# Altium PCB Main_V1_Pcb.PcbDoc (continued)
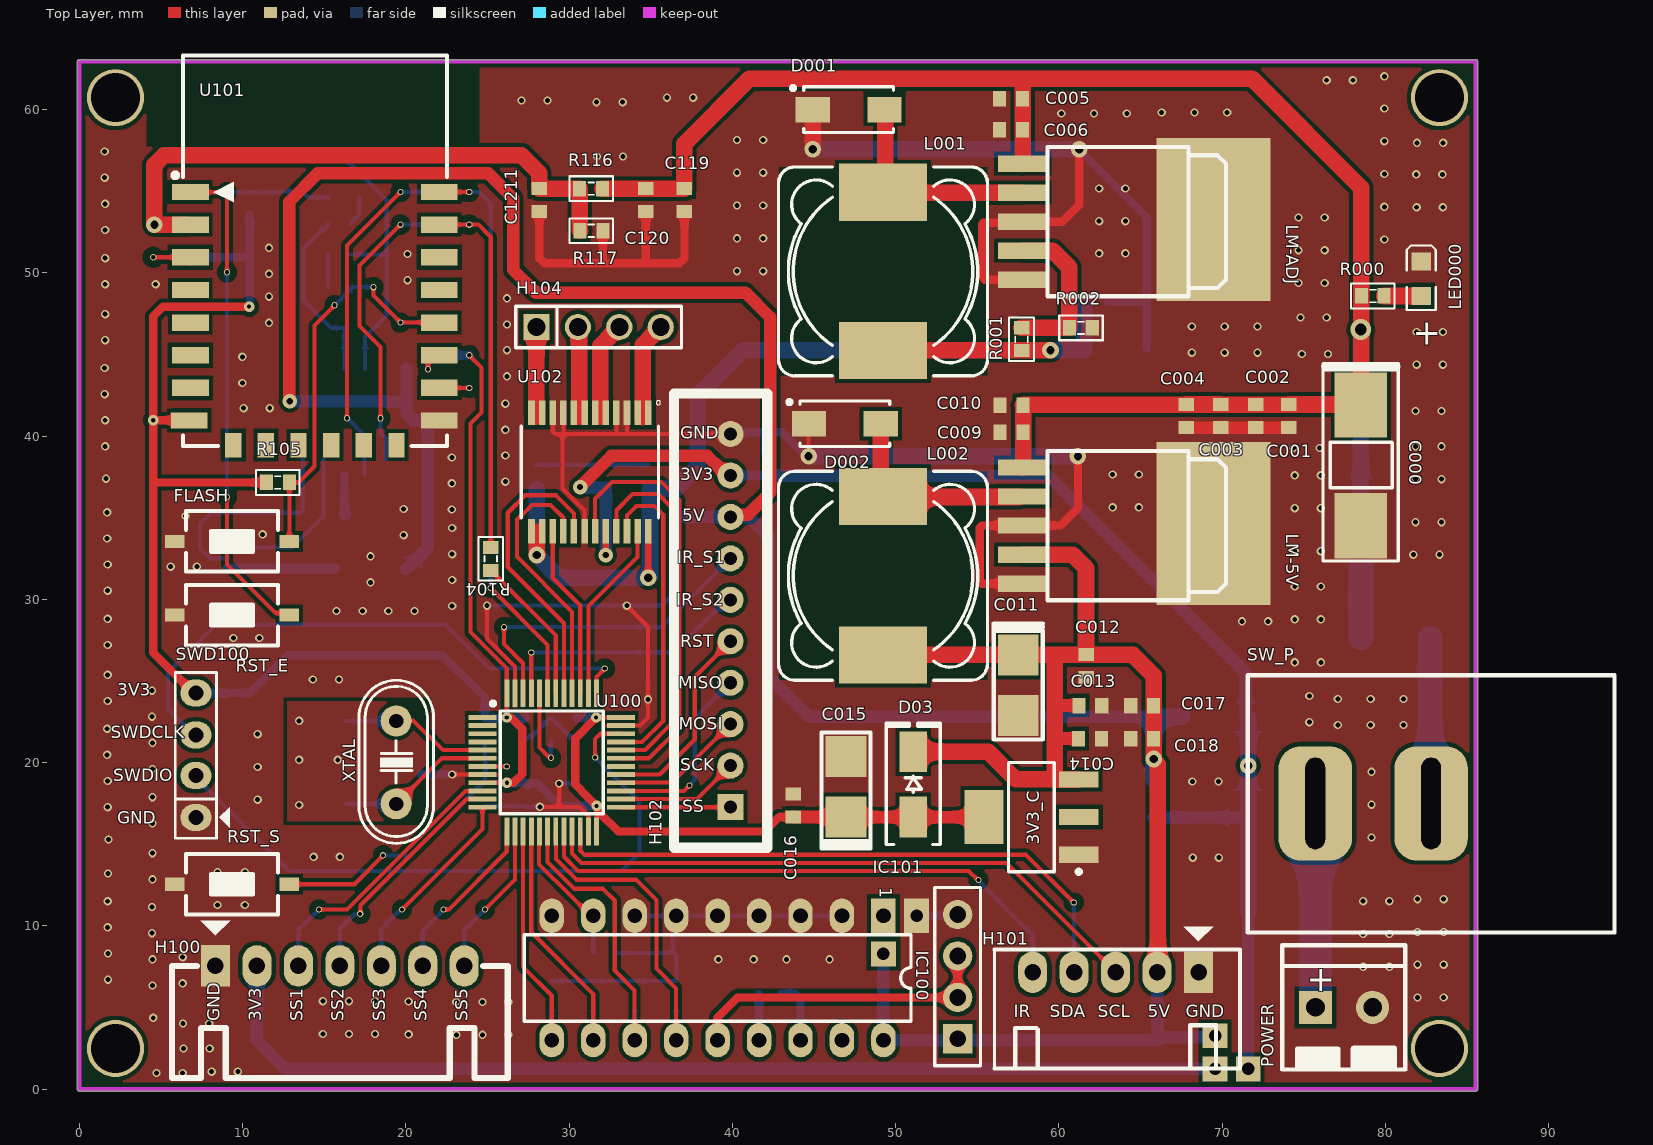
[diagram p0: Top Layer view]
## Part data (continued)
FLASH RST_E RST_S: "Switch button 2 pin"
H100: library part "Header 7P 2.54 Duc Cong", "Cắm", Chung_Loai=Cắm, Don_Vi=Con, Ma_Hang=MH004118, Ten_Linh_Kien="Header 7P XH2.54-7P Đực Cong"
H101: library part "Header 5P 2.54 Duc Cong", "Cắm", Chung_Loai=Cắm, Don_Vi=Con, Ma_Hang=MH001308, Ten_Linh_Kien="Header 5P XH2.54-5P Đực Cong"
H102: library part "Header 10P 2.54 Duc Thang", "Cắm", Chung_Loai=Cắm, Don_Vi=Con, Ma_Hang=MH001286, Ten_Linh_Kien="Header 10P XH2.54-10P Đực Thẳng"
H104: library part "Header 4P 2.54 Duc Cong", "Cắm", Chung_Loai=Cắm, Don_Vi=Con, Ma_Hang=MH001310, Ten_Linh_Kien="Header 4P XH2.54-4P Đực Cong"
IC100: "Remote Control Decoder"
IC101: Manufacturer="W¨¹rth Elektronik eiSos GmbH", partNo=613004143121, ComponentLink1 Description=Manufacturer, ComponentLink1URL=http://www.we-online.com, ComponentLink2 Description=Datasheet, ComponentLink2URL=http://katalog.we-online.de/em/datasheet/6130xx143121.pdf, Created by="Karrer Zheng", Created Date="29 March 2013", NoPins=04
LED000: "LED"
LM-5V LM-ADJ: library part "LM2576 3.3V SMD", "Dán", Chung_Loai=Dán, Don_Vi=Con, Ma_Hang=MH001260, Ten_Linh_Kien="LM2576S-3.3V BUCK 3.3V 3A TO263-5"
POWER: "Domino, 2-Pin", LatestRevisionDate=17-Jul-2002, LatestRevisionNote="Re-released for DXP Platform.", Publisher="Altium Limited"
Q100 Q101: library part "C1815 HF SMD", "NPN transistor"
R000 R001 R002 R100 R101 R103 R104 R105 R106 R107 R108 R111 R113 R114 R116 R117 R118 R1151 R1152: "Resistor"
SW_P: library part SW1_RS-471005264153-TH, "Rocker Switch SPST 16A (AC), 10A (DC) 250V Panel Mount, Snap-In", Alternate Part Number-1=NA, Case/Package=TH, Manufacturer="Würth Elektronik", Manufacturer Part Number=471005264153, Supplier Part Number-1=471005264153, Supplier-1="Würth Elektronik"
SWD100: "Header, 4-Pin, Right Angle", LatestRevisionDate=17-Jul-2002, LatestRevisionNote="Re-released for DXP Platform.", Publisher="Altium Limited"
U100: library part IC_STM32F103C8T6, "ARM® Cortex®-M3 STM32F1 Microcontroller IC 32-Bit 72MHz 64KB (64K x 8) FLASH 48-LQFP (7x7)", Alternate Part Number-1=NA, Case/Package=LQFP48, Manufacturer=STMicroelectronics, Manufacturer Part Number=STM32F103C8T6, Supplier Part Number-1=STM32F103C8T6, Supplier-1=LCSC
U101: "ESP8266 12 22 Pin", IC=ESP8266-EX, Vendor=Ai-thinker
U102: "- Motor Driver Power MOSFET Parallel 24-SSOP", Package="SSOP-24 Toshiba", Availability="In Stock", Check_prices=https://www.snapeda.com/parts/TB6612FNG,C,8,EL/Toshiba+Semiconductor+and+Storage/view-part/?ref=eda, MF=Toshiba, MP=TB6612FNG,C,8,EL, Price=None, Purchase-URL=https://pricing.snapeda.com/search/part/TB6612FNG,C,8,EL/?ref=eda, SnapEDA_Link=https://www.snapeda.com/parts/TB6612FNG,C,8,EL/Toshiba+Semiconductor+and+Storage/view-part/?ref=snap
U103: library part IC_CH340C, "USB Bridge, USB to UART USB 2.0 UART Interface", Alternate Part Number-1=NA, Case/Package=SOIC16, Manufacturer=Olimex, Supplier Part Number-1=C84681, Manufacturer Part Number=CH340C, Supplier-1=LCSC
USB100: "USB Type B", Ma_Hang=MH001020, Ten="MicroUSB MK5P SMD"
XTAL: "Crystal Oscillator", LatestRevisionDate=17-Jul-2002, LatestRevisionNote="Re-released for DXP Platform.", PackageDescription="Crystal, Thru-Hole; 2 Leads; Body 3.1 x 8.2 mm (Dia.xH)", PackageReference=R38, Published=8-Jun-2000, Publisher="Altium Limited"

## Free pads (board coordinates)
  round 3.5 hole 3: 14(2.21,2.489) 14(2.21,60.731) 15(83.312,60.731) 16(83.312,2.489)
  rect 1.524x2.1 hole 0.762: 18(51.283,10.617)
  rect 1.524x1.524 hole 0.762: 19(49.251,8.28) 20(69.567,1.236) 21(69.567,3.268) 22(71.599,1.236)

## Via types
v1: diameter 0.508, hole 0.305, Top Layer to Bottom Layer, tented both sides, 257 vias
v2: diameter 0.381, hole 0.254, Top Layer to Bottom Layer, tented both sides, 32 vias
v3: diameter 1.016, hole 0.508, Top Layer to Bottom Layer, tented both sides, 10 vias
v4: diameter 0.635, hole 0.254, Top Layer to Bottom Layer, tented both sides, 6 vias
v5: diameter 0.889, hole 0.381, Top Layer to Bottom Layer, tented both sides, 3 vias
v6: diameter 1.27, hole 0.711, Top Layer to Bottom Layer, tented both sides, 1 vias

## Nets (pads, with @x,y where several pads share a name; then routed paths per layer and width w, separated by ;. In a path a pad name is that pad's centre, name@x,y a point inside that pad or via, vN(x,y) a via of type N, cw(c..) or ccw(c..) an arc to the next point about the centre after c; other vN are vias at no path point)
3V3_C: 3V3_C.4 C015.1 C016.2 C101.2 C102.2 C103.2 C104.2 C107.2 C110.2 D03.1 R100.2 R105.2 R106.2 R107.2 R108.2 SWD100.4 U100.9 U100.24 U100.36 U100.48 U101.8 | length 146.5
  Top Layer w0.254: v2(23.876,44.952) 24.638,44.19 24.638,41.453 23.952,40.767 23.952,27.991 26.181,25.762 U100.48 v4(26.181,22.758) ; U100.9@24.912,18.765 v4(26.182,18.765) ; U100.24 31.682,15.779 v4@31.682,17.347 ; v4@31.681,22.765 U100.36
  Top Layer w0.508: 4.547,37.16 R105.2 ; U101.8 6.713,40.97 v4(4.521,40.97) ; SWD100.4 7.01,24.257 4.521,26.746 4.521,37.16 v4(4.521,40.97) ; v4(10.393,47.93) 5.131,47.93 4.521,47.32 4.521,43.111 v4(4.521,40.97) ; v4(26.181,22.758) 26.441,22.758 27.127,22.073 27.127,19.304 26.588,18.765 v4(26.182,18.765) ; v4@31.639,22.749 30.378,21.488 30.378,18.653 31.125,17.906 v4(31.684,17.348) ; v4(31.648,22.758) 31.655,22.758 31.665,22.749 v4@31.681,22.765 ; v4@31.682,17.347 v4(31.684,17.348) ; C016.2@43.75,16.662 42.85,16.662 41.965,15.777 33.01,15.777 31.861,16.926 31.861,17.136 31.684,17.314 v4(31.684,17.348)
  Top Layer w0.762: C016.2 43.75,16.662 3V3_C.4
  Bottom Layer w0.508: v4(4.521,40.97) C110.2 ; SWD100.4 10.439,24.257 12.751,26.568 22.246,26.568 24.841,23.973 R100.2 26.084,22.696 26.146,22.758 v4(26.181,22.758) ; R107.2 10.338,50.952 10.439,51.054 ; v4(10.393,47.93) 10.393,47.964 10.439,48.01 10.439,51.054 ; R108.2 10.439,51.054 ; R106.2 v2(23.876,44.952) ; v4@26.181,22.734 26.239,22.734 26.28,22.694 27.252,22.694 C104.2 ; v4(26.182,18.765) 27.299,18.765 C101.2@27.305,18.759 ; C101.2@27.451,18.588 C101.2 28.053,18.734 29.453,17.334 C102.2 30.469,17.348 v4(31.684,17.348) ; C103.2 30.469,22.733 31.369,22.733 31.37,22.734 31.624,22.734 v4(31.648,22.758)
3V3_P: 3V3_P.2 3V3_P.4 C019.1 C020.2 C112.2 C116.2 C118.2 D004.1 H100.2 H102.9 pad.20 pad.22 U102.20 | length 148.2
  Top Layer w0.381: v5(32.242,32.715) U102.20
  Top Layer w0.762: v5(30.667,36.876) 32.577,38.786 38.457,38.786 39.651,37.592 H102.9
  Bottom Layer w0.508: H102.9 C118.2@41.997,37.592
  Bottom Layer w0.762: C116.2 10.871,4.561 10.871,2.972 12.607,1.236 28.325,1.236 49.856,1.236 pad.20 ; C116.2@10.871,4.583 H100.2 ; v5(30.667,36.876) 30.691,36.852 31.97,36.852 31.996,36.825 C112.2@31.998,36.825 ; C112.2@32.148,36.829 C112.2 v5(32.242,32.715) ; C118.2@41.997,37.592 C118.2 59.349,37.578 71.45,25.476 71.45,22.904 D004.1 ; 3V3_P.2 3V3_P.4 ; pad.22 C019.1
  Bottom Layer w1.016: D004.1 71.596,19.827 71.607,19.816 v3(71.607,19.812) 3V3_P.4 C019.1@71.607,10.795
5V: 3V3_C.3 3V3_P.3 C011.1 C012.2 C013.2 C014.2 C017.2 C018.2 C111.2 C117.2 C122.2 C128.2 D03.2 D004.2 D100.2 H101.2 H102.8 IC100.18 IC101.1 L002.2 LM-5V.4 pad.19 pad.21 U103.16 | length 226.5
  Top Layer w0.762: v5(12.878,42.139) 12.854,42.163 12.854,42.253 12.852,42.254 12.852,54.356 14.605,56.109 25.03,56.109 26.568,54.57 26.568,50.19 27.965,48.793 40.792,48.793 42.316,47.269 42.316,36.551 40.96,35.194 40.02,35.194 H102.8 ; 59.738,21.488 C014.2@61.174,21.488 ; 59.84,23.495 C013.2 ; v3(65.807,20.218) 65.807,20.15 v3@66.065,19.891 ; H101.2 H101.2@66.065,7.214
  Top Layer w1.016: L002.2 L002.2@49.829,26.595 ; D03.2 55.658,20.669 57.353,18.974 59.727,18.974 59.738,18.962 59.738,21.488 59.738,23.393 ; L002.2@51.079,25.345 L002.2@49.829,26.595 ; LM-5V.4 60.833,32.741 61.658,31.915 C012.2@61.658,26.595 ; 59.741,18.962 3V3_C.3 ; 59.84,23.495 59.738,23.393 ; C012.2 C012.2@61.658,26.595 ; v3(65.807,20.218) 65.804,20.221 65.804,21.459 C018.2 C017.2 65.8,25.335 64.54,26.595 C012.2@61.658,26.595 ; H101.2@66.065,7.214 v3@66.065,19.891 ; L002.2@49.829,26.595 59.722,26.595 ; 59.722,26.595 C012.2@61.658,26.595 ; 59.722,26.595 59.738,26.579 59.738,23.393
  Bottom Layer w0.254: 66.051,2.997 66.229,3.175
  Bottom Layer w0.762: v5(12.878,42.139) 18.836,42.139 18.887,42.088 20.041,42.088 ; D100.2 21.347,33.182 C111.2 20.462,40.945 20.041,41.366 20.041,42.088 ; U103.16 20.041,42.088 ; C122.2 36.709,35.046 H102.8@39.872,35.046 ; H102.8 H102.8@39.872,35.046 ; pad.19 IC100.18 66.051,2.997 C117.2@66.051,4.17 ; 65.807,22.809 44.679,22.809 42.215,25.273 42.215,33.858 41.027,35.046 39.884,35.046 H102.8@39.872,35.046 ; C117.2@66.015,4.228 H101.2 ; C117.2@66.054,4.167 C117.2@66.073,4.148 ; 66.229,3.175 69.473,3.175 pad.21 ; D004.2@67.545,22.809 D004.2
  Bottom Layer w1.016: H102.8 39.884,35.046 H102.8@39.934,34.996 ; 3V3_P.3 v3(65.807,20.218) 65.807,22.809 D004.2@67.545,22.809
AIN1: U100.32 U102.21 | length 22.4
  Top Layer w0.254: U102.21 32.892,35.458 33.884,36.449 35.458,36.449 36.246,35.662 36.246,22.352 34.659,20.765 U100.32
AIN2: U100.33 U102.22 | length 19.4
  Top Layer w0.254: U100.33 33.174,21.26 34.468,21.26 35.763,22.555 35.763,35.179 35.23,35.712 34.112,35.712 33.547,35.147 33.547,34.174 U102.22
AO1: H104.4 U102.1 U102.2 | length 6
  Top Layer w1.016: 34.519,41.148 34.519,45.593 H104.4
AO2: H104.3 U102.5 U102.6 | length 6
  Top Layer w1.016: 31.902,41.173 31.902,45.517 H104.3
BIN1: U100.41 U102.17 | length 18.5
  Top Layer w0.254: U100.41 29.681,28.536 26.238,31.979 26.238,35.306 27.305,36.373 29.185,36.373 30.292,35.265 U102.17
BIN2: U100.40 U102.16 | length 16.4
  Top Layer w0.254: U102.16 29.642,35.001 28.854,35.789 27.711,35.789 26.797,34.874 26.797,32.614 30.181,29.23 U100.40
BO1: H104.1 U102.11 U102.12 | length 5.5
  Top Layer w1.016: 27.991,41.199 H104.1
BO2: H104.2 U102.7 U102.8 | length 5.5
  Top Layer w1.016: 30.607,41.173 H104.2@30.607,46.685
BOOT0: R101.1 U100.44 | length 5.3
  Top Layer w0.254: U100.44 28.181,20.918 28.74,20.358 28.782,20.358 28.845,20.295 v2(28.88,20.295)
  Bottom Layer w0.254: v2(28.88,20.295) R101.1
D+: U103.5 USB100.3 | length 10.1
  Bottom Layer w0.254: USB100.3 13.023,33.165 14.961,35.103 U103.5 U103.5@14.961,38.558
D-: U103.6 USB100.2 | length 13.2
  Bottom Layer w0.254: USB100.2 7.998,32.515 7.391,33.122 7.391,34.62 8.077,35.306 13.542,35.306 13.691,35.455 U103.6 U103.6@13.691,38.558
DATA: IC100.14 IC101.2 IC101.3 | length 19.1
  Top Layer w0.508: IC100.14 39.091,4.394 40.31,5.613 IC101.2 IC101.3
DTR: Q100.2 R114.1 U103.13 | length 11
  Bottom Layer w0.254: R114.1 15.226,52.909 14.953,52.636 14.878,52.636 13.741,51.5 13.741,48.311 15.423,46.629 Q100.2 16.231,46.603 U103.13
EN: R107.1 U101.3 | length 3.8
  Top Layer w0.254: v2(4.521,50.952) U101.3
  Bottom Layer w0.254: v2(4.521,50.952) R107.1
ENERGY: C121.2 C1211.2 R116.1 R117.2 U101.2 | length 37.9
  Top Layer w0.254: U101.2@6.546,52.952 6.756,53.162 6.797,53.121 U101.2
  Top Layer w1.016: U101.2@6.546,52.952 v3(4.596,52.952) 4.596,56.615 5.181,57.201 27.076,57.201 28.169,56.109 C1211.2 R116.1 30.644,52.603 R117.2
  Bottom Layer w1.016: v3(4.596,52.952) C121.2
GND: 3V3_C.1 3V3_P.1 C000.2 C001.1 C002.1 C003.1 C004.1 C005.1 C006.1 C007.2 C008.1 C009.1 C010.1 C011.2 C012.1 C013.1 C014.1 C015.2 C016.1 C017.1 C018.1 C019.2 C020.1 C100.1 C101.1 C102.1 C103.1 C104.1 C105.1 C106.1 C107.1 C108.1 C109.1 C110.1 C111.1 C112.1 C113.1 C114.1 C115.1 C116.1 C117.1 C118.1 C119.1 C120.1 C121.1 C122.1 C123.1 C124.1 C125.1 C126.1 C127.1 C128.1 C129.1 C130.1 C131.1 C132.1 C133.1 C134.1 C135.1 C136.1 C1211.1 D001.1 D002.1 FLASH.1 H100.1 H101.1 H102.10 IC100.2 IC100.3 IC100.4 IC100.5 IC100.6 IC100.7 IC100.9 IC101.4 LED000.2 LM-5V.3 LM-5V.5 LM-5V.6 LM-ADJ.3 LM-ADJ.5 LM-ADJ.6 pad.18 POWER.2 R002.2 R101.2 R111.1 R117.1 RST_E.1 RST_S.1 SWD100.1 U100.8 U100.23 U100.35 U100.47 U101.15 U102.3 U102.4 U102.9 U102.10 U102.18 U103.1 USB100.5 | length 232.2
  Top Layer w0.254: v1(22.835,19.265) U100.8 ; v1(24.968,29.616) 24.968,27.584 26.681,25.872 U100.47 ; v1(28.206,17.288) 29.388,17.288 ; U102.10 28.992,40.281 29.141,40.132 29.591,40.132 ; v1(29.388,18.72) 29.388,17.288 ; U102.9 29.642,40.183 29.591,40.132 ; U102.18 30.942,35.433 29.591,36.785 29.591,40.132 ; U100.23 31.191,15.787 31.191,16.734 30.637,17.288 29.388,17.288 ; U102.4 32.892,40.158 32.918,40.132 ; U100.35 34.33,22.265 34.823,22.758 v1(34.823,23.876) 34.823,28.321 v1(33.528,29.616) ; U102.3 33.542,40.146 33.528,40.132 ; H102.10 33.528,40.132 ; v3(44.665,38.765) 44.665,40.734 D002.1 ; 55.296,49.73 55.445,49.581 ; 55.296,52.988 55.368,53.061 ; C005.1@56.341,60.688 C005.1 ; LM-ADJ.3@57.709,53.061 LM-ADJ.3 ; H101.1@68.457,7.26 H101.1 ; 29.591,40.132 32.918,40.132 ; 32.918,40.132 33.528,40.132
  Top Layer w0.508: C1211.1 28.169,50.902 28.473,50.597 32.029,50.597 ; R117.1 32.069,50.636 32.029,50.597 ; C120.1 34.696,50.8 34.9,50.597 ; C119.1 37.059,50.894 36.761,50.597 34.9,50.597 ; 55.296,49.73 55.296,52.988 ; 55.368,53.061 LM-ADJ.3@57.709,53.061 ; 55.445,49.581 LM-ADJ.5 ; LM-5V.5 55.292,30.963 55.143,31.111 55.143,34.37 55.292,34.519 LM-5V.3 60.096,34.519 61.163,35.585 v3(61.163,38.765) ; LM-ADJ.3 60.223,53.137 61.239,54.153 v3(61.239,57.565) ; 32.029,50.597 34.9,50.597
  Top Layer w0.762: RST_S.1 RST_S.1@5.866,12.529 ; C004.1 C003.1 C002.1 C001.1 ; LM-5V.6 LM-5V.6@70.366,35.543
  Top Layer w1.016: v3(44.915,57.565) D001.1
  Bottom Layer w0.254: v1@22.821,19.279 v1(22.835,19.265) ; C100.1 C101.1 27.351,17.288 v1(28.206,17.288) ; v1(24.968,29.616) 34.828,29.616 C129.1 35.701,29.631 36.703,30.632 C122.1 ; C104.1 27.578,21.62 27.729,21.62 28.805,22.696 R101.2 28.955,22.696 30.031,21.62 30.182,21.62 C103.1 C102.1 30.44,18.72 v1(29.388,18.72) ; C113.1 C112.1 C114.1 ; C134.1 C133.1 C132.1 C131.1 36.576,8.182 36.427,8.331 36.347,8.331 ; C135.1 36.347,8.331 ; IC100.7 IC100.6 ; v1(34.823,23.876) 34.823,25.367 C130.1 ; H102.10 H102.10@39.98,40.234 ; 42.012,40.138 41.916,40.234 42.012,40.234 ; v3@44.547,38.765 v3(44.665,38.765) ; IC100.2 IC100.3 IC100.4 IC100.5 IC100.6 ; IC101.4@53.721,10.617 IC101.4 ; v3@61.239,57.937 v3@61.288,57.986 ; C008.1 C008.1@62.981,48.209 ; 36.347,8.331 36.347,10.414 IC100.6
  Bottom Layer w0.508: 20.904,19.279 v1@22.821,19.279 ; H102.10@39.98,40.234 41.916,40.234 ; C118.1 42.012,40.138 ; 42.012,40.234 43.078,40.234 v3@44.547,38.765 ; pad.18 IC101.4@53.721,10.617 ; v3(61.239,57.565) 65.38,53.425 65.38,48.209 ; C008.1@62.981,48.209 65.38,48.209 ; C007.2@65.38,45.369 65.38,48.209
  Bottom Layer w1.016: v3(44.665,38.765) v3(61.163,38.765) ; v3(44.915,57.565) v3(61.239,57.565)
  other v1: 4.724,0.991 6.325,0.991 8.103,1.067 9.703,1.067 6.375,2.489 7.976,2.489 23.089,3.325 24.689,3.325 26.289,3.325 20.168,3.353 14.91,3.376 16.51,3.376 18.11,3.376 6.35,4.013 7.95,4.013 4.521,4.369 23.089,5.334 24.689,5.334 26.289,5.334 20.168,5.362 14.91,5.385 16.51,5.385 18.11,5.385 81.966,5.608 83.566,5.608 4.47,6.35 6.325,6.477 1.753,6.706 78.638,7.491 80.239,7.491 81.966,7.618 83.566,7.618 4.47,7.95 39.136,7.95 41.3,7.95 43.309,7.95 45.944,7.95 6.325,8.077 1.753,8.306 78.638,9.5 80.239,9.5 4.445,9.55 81.966,9.627 83.566,9.627 1.727,9.906 4.445,11.151 8.458,11.275 10.135,11.275 1.727,11.506 78.638,11.509 80.239,11.509 81.966,11.636 83.566,11.636 4.47,12.852 1.753,13.208 8.458,13.284 10.135,13.284 68.199,14.173 69.799,14.173 14.351,14.224 15.951,14.224 4.47,14.453 1.778,15.291 79.146,15.415 4.47,16.281 1.727,17.272 13.462,17.399 79.146,17.424 10.922,17.727 4.47,17.882 68.174,18.847 69.774,18.847 1.727,18.872 79.146,19.433 4.47,19.609 10.922,19.736 13.462,20.168 15.824,20.168 1.702,20.472 4.47,21.209 10.922,21.745 1.702,22.073 77.087,22.301 79.096,22.301 81.105,22.301 75.336,22.479 13.462,22.555 4.445,22.809 1.727,23.774 77.087,23.901 79.096,23.901 81.105,23.901 75.336,24.079 4.445,24.409 14.3,25.095 15.9,25.095 1.727,25.375 74.447,26.144 76.048,26.144 1.727,27.203 9.423,27.635 11.024,27.635 71.222,28.651 72.822,28.651 74.447,28.778 76.048,28.778 1.727,28.804 15.748,29.286 17.348,29.286 18.923,29.286 20.523,29.286 8.661,29.309 22.835,29.591 1.727,30.531 74.447,30.787 76.048,30.787 17.831,31.039 22.835,31.191 5.588,32.004 7.188,32.004 1.727,32.131 17.831,32.639 81.712,32.741 83.312,32.741 22.835,32.766 74.447,32.951 76.048,32.951 1.702,33.731 19.863,33.934 11.227,33.985 22.835,34.366 81.839,34.727 83.439,34.727 6.502,35.103 1.702,35.331 22.809,35.509 19.863,35.535 74.447,35.585 76.048,35.585 63.297,35.636 64.897,35.636 22.809,37.109 26.086,37.211 81.839,37.361 83.439,37.361 1.626,37.389 74.447,37.594 76.048,37.594 63.297,37.645 64.897,37.645 22.809,38.684 26.086,38.811 74.371,39.268 75.971,39.268 1.575,39.37 81.839,39.37 83.439,39.37 26.086,40.386 1.575,40.97 81.839,41.534 83.439,41.534 10.058,41.707 11.659,41.707 26.086,41.986 1.549,42.57 9.982,43.256 26.187,43.663 1.549,44.171 81.915,44.374 83.515,44.374 9.982,44.856 74.879,45.034 76.479,45.034 68.146,45.11 70.155,45.11 72.164,45.11 26.187,45.263 1.575,45.872 81.915,46.383 83.515,46.383 68.146,46.711 70.155,46.711 72.164,46.711 26.187,46.838 11.608,46.939 74.803,47.269 76.403,47.269 1.575,47.473 26.187,48.438 11.608,48.539 1.575,49.301 4.674,49.301 74.676,49.375 76.276,49.375 20.091,49.555 11.608,49.936 40.284,50.107 41.885,50.107 1.575,50.902 20.091,51.156 62.466,51.195 64.066,51.195 74.676,51.384 76.276,51.384 11.608,51.537 79.934,52.037 40.284,52.116 41.885,52.116 1.575,52.629 62.466,53.163 64.066,53.163 74.676,53.393 76.276,53.393 81.915,54.018 83.515,54.018 79.934,54.046 40.284,54.125 41.885,54.125 1.575,54.229 62.466,55.172 64.066,55.172 1.549,55.829 81.89,56.032 83.49,56.032 79.934,56.055 40.284,56.134 41.885,56.134 31.699,57.125 33.299,57.125 1.549,57.429 81.94,57.963 83.541,57.963 79.934,58.064 40.284,58.143 41.885,58.143 60.145,59.766 62.154,59.766 64.163,59.766 66.292,59.817 68.301,59.817 70.31,59.817 79.934,60.073 31.674,60.452 33.274,60.452 27.076,60.554 28.677,60.554 35.992,60.731 37.592,60.731 76.403,61.798 78.003,61.798 79.934,62.041
GPIO0: C108.2 FLASH.2 Q100.3 R105.1 U101.18 | length 26.8
  Top Layer w0.254: FLASH.2 12.861,33.568 R105.1 ; R105.1@13.134,37.508 12.861,37.235 R105.1 ; v2(15.621,48.019) 15.621,47.994 14.402,46.774 14.402,38.151 13.411,37.16 R105.1 ; v2(18.009,49.124) 18.009,48.616 v2(19.66,46.965) 21.422,46.965 22.035,46.965 U101.18 U101.18@21.422,46.952
  Bottom Layer w0.254: v2(15.621,48.019) 15.646,48.019 16.756,49.129 Q100.3 ; Q100.3@17.161,49.124 v2(18.009,49.124) ; v2(19.66,46.965) 21.335,46.965 C108.2
GPIO2: R106.1 U101.17 | length 2.5
  Top Layer w0.254: v2(21.347,44.094) 21.347,44.579 U101.17@21.72,44.952 ; U101.17@21.387,44.907 21.432,44.952 U101.17@21.72,44.952 ; U101.17 U101.17@21.72,44.952
  Bottom Layer w0.254: v2(21.347,44.094) R106.1
GPIO15: R111.2 U101.16 | length 3
  Top Layer w0.254: U101.16 v2(23.876,42.952)
  Bottom Layer w0.254: R111.2 v2(23.876,42.952)
IR: C136.2 H101.5 U100.20 | length 34.6
  Top Layer w0.254: U100.20 29.681,14.232 30.553,13.36 54.474,13.36 55.033,12.802 v2(55.067,12.802)
  Bottom Layer w0.254: v2(55.067,12.802) 55.091,12.777 55.091,12.739 58.32,9.511 C136.2 H101.5
IR_S1: C129.2 H102.7 U100.46 | length 20.1
  Top Layer w0.254: v2(26.01,28.296) 26.01,27.254 27.178,26.086 27.178,24.256 U100.46
  Bottom Layer w0.254: v2(26.01,28.296) 35.662,28.296 H102.7
IR_S2: C130.2 H102.6 U100.45 | length 16
  Top Layer w0.254: U100.45 v2(27.681,26.746)
  Bottom Layer w0.254: v2(27.681,26.746) 36.398,26.746 39.624,29.972 H102.6
MISO: H102.4 U100.27 | length 11.7
  Top Layer w0.254: U100.27 37.036,18.265 v2(37.363,18.593)
  Bottom Layer w0.254: v2(37.363,18.593) 37.694,18.923 37.694,22.708 H102.4
MOSI: H102.3 U100.28 | length 8.2
  Top Layer w0.254: U100.28 33.174,18.771 36.297,18.771 H102.3
NetD000_1: D000.1 F000.2 | length 4.3
  Bottom Layer w1.524: F000.2 D000.1
NetD001_2: D001.2 L001.1 LM-ADJ.2 | length 13.7
  Top Layer w1.016: D001.2 49.352,59.958 49.352,55.066 L001.1 49.249,54.915 LM-ADJ.2
NetD002_2: D002.2 L002.1 LM-5V.2 | length 13.1
  Top Layer w0.254: L002.1@49.073,36.448 L002.1@49.088,36.463 ; LM-5V.2@57.556,36.271 57.582,36.297 LM-5V.2
  Top Layer w1.016: L002.1@49.073,36.448 L002.1 ; L002.1@49.088,36.463 D002.2 ; L002.1@49.249,36.271 LM-5V.2@57.556,36.271
NetF000_1: F000.1 SW_P.2 | length 10.2
  Bottom Layer w1.016: F000.1 F000.1@82.749,27.606 ; SW_P.2@82.749,17.555 SW_P.2
  Bottom Layer w1.524: SW_P.2@82.749,17.555 F000.1@82.749,27.606
NetIC100_15: IC100.15 R118.1 | length 2.9
  Bottom Layer w0.254: R118.1 R118.1@41.631,5.828
  Bottom Layer w0.508: IC100.15 R118.1@41.631,5.828
NetIC100_16: IC100.16 R118.2 | length 3.8
  Bottom Layer w0.508: R118.2 43.79,5.842 44.171,5.461 IC100.16
NetLED000_1: LED000.1 R000.2 | length 2.3
  Top Layer w1.016: R000.2 79.931,48.582 LED000.1
NetLM-ADJ_4: LM-ADJ.4 R001.1 R002.1 | length 9.9
  Top Layer w1.016: R001.1 60.638,46.637 R002.1 60.641,50.332 59.614,51.359 LM-ADJ.4
NetPOWER_1: POWER.1 SW_P.1 | length 12.5
  Bottom Layer w1.016: SW_P.1 75.704,17.235 75.717,17.221 SW_P.1@75.711,17.214 ; POWER.1@75.711,5.011 POWER.1
  Bottom Layer w2.032: POWER.1@75.711,5.011 SW_P.1@75.711,17.214
NetQ100_1: Q100.1 R113.2 | length 2
  Bottom Layer w0.254: R113.2 15.226,49.158 Q100.1
NetQ101_1: Q101.1 R114.2 | length 1.8
  Bottom Layer w0.254: R114.2 16.626,53.059 17.145,53.579 17.145,54.594 Q101.1
NetR103_1: R103.1 U100.43 | length 9
  Top Layer w0.254: v2(25.197,30.695) 28.681,27.211 U100.43
  Bottom Layer w0.254: v2(25.197,30.695) R103.1
NetR104_1: R104.1 U100.42 | length 9.2
  Top Layer w0.254: R104.1 29.181,27.789 U100.42
NetR1151_2: R1151.2 U103.2 | length 17.8
  Top Layer w0.254: v2(18.44,41.097) 18.44,45.452 17.155,46.738 17.155,50.448 v2(19.66,52.952)
  Bottom Layer w0.254: v2(18.44,41.097) 18.44,40.174 18.769,39.845 18.769,38.56 U103.2@18.771,38.558 ; v2(19.66,52.952) R1151.2
NetR1152_2: R1152.2 U103.3 | length 20.9
  Top Layer w0.254: v2(16.383,41.097) 16.383,51.676 v2(19.66,54.952)
  Bottom Layer w0.254: v2(16.383,41.097) 16.408,41.097 17.465,40.041 17.465,37.655 U103.3 ; v2(19.66,54.952) R1152.2
nRST: C109.2 Q101.3 R108.1 RST_E.2 U101.1 | length 36.5
  Top Layer w0.254: U101.1 6.809,54.94 v2(9.042,54.94) v2(9.042,50.038) ; v2(9.042,36.271) 9.042,32.131 12.015,29.158 12.721,29.158 RST_E.2
  Bottom Layer w0.254: v2(9.042,36.271) v2(9.042,50.038) ; v2(9.042,54.94) 12.254,54.94 C109.2 13.626,54.98 13.97,54.635 15.224,54.635 Q101.3
OSCIN: C105.2 U100.5 XTAL.1 | length 9.2
  Top Layer w0.254: XTAL.1 20.472,22.555 22.262,20.765 U100.5 ; XTAL.1@19.489,22.471 XTAL.1@19.524,22.437
  Bottom Layer w0.254: C105.2 XTAL.1
OSCOUT: C106.2 U100.6 XTAL.2 | length 9.8
  Top Layer w0.254: XTAL.2@19.406,17.412 XTAL.2 22.2,20.269 24.689,20.269 U100.6
  Bottom Layer w0.254: C106.2 16.321,17.475 XTAL.2 XTAL.2@19.406,17.348
PWMA: U100.38 U102.23 | length 11.2
  Top Layer w0.254: U100.38 31.181,29.58 34.192,32.592 U102.23
PWMB: U100.39 U102.15 | length 10.6
  Top Layer w0.254: U102.15 28.992,31.307 30.681,29.619 U100.39
RESET_S: C100.2 R100.1 RST_S.2 U100.7 | length 20.4
  Top Layer w0.254: RST_S.2@12.452,12.548 RST_S.2 16.84,12.548 18.6,14.307 v2(18.6,14.319) ; U100.7@24.673,19.745 U100.7 24.7,19.773 24.708,19.765 v2(26.181,19.765)
  Bottom Layer w0.254: v2(18.6,14.319) 20.262,14.319 24.678,18.734 C100.2 24.841,19.761 ; R100.1 24.841,19.761 ; v2(26.181,19.765) 26.09,19.765 26.086,19.761 24.841,19.761
RF_O1: C131.2 IC100.13 U100.19 | length 20.2
  Top Layer w0.254: U100.19 29.181,15.295 29.185,15.291 29.185,14.097 30.455,12.827 34.087,12.827 35.343,11.57 35.343,7.379 36.551,6.172 IC100.13
  Bottom Layer w0.254: IC100.13 36.551,5.193 C131.2
RF_O2: C132.2 IC100.12 U100.18 | length 18.2
  Top Layer w0.254: U100.18 28.681,13.915 30.328,12.268 32.08,12.268 32.791,11.557 32.791,7.264 34.011,6.045 IC100.12
  Bottom Layer w0.254: IC100.12 34.011,5.193 C132.2
RF_O3: C133.2 IC100.11 U100.16 | length 16.6
  Top Layer w0.254: U100.16 27.681,9.607 31.471,5.817 IC100.11
  Bottom Layer w0.254: IC100.11 31.471,5.193 C133.2
RF_O4: C134.2 IC100.10 U100.15 | length 16
  Top Layer w0.254: U100.15 27.181,7.49 28.931,5.74 IC100.10 ; IC100.10@28.931,2.235 IC100.10@28.931,2.535
  Bottom Layer w0.254: IC100.10 28.931,5.193 C134.2
RF_O5: C135.2 IC100.8 U100.17 | length 9.1
  Top Layer w0.254: U100.17 28.161,15.757 28.161,13.769 30.043,11.887 30.048,11.887 30.78,11.156 30.932,11.156 IC100.8 ; IC100.8@31.471,9.855 IC100.8@31.471,9.988
  Bottom Layer w0.254: IC100.8 31.471,8.342 C135.2
RST: H102.5 U100.29 | length 12.3
  Top Layer w0.254: U100.29 35.547,19.265 37.694,21.412 37.694,25.248 H102.5
RTS: Q101.2 R113.1 U103.14 | length 16.8
  Bottom Layer w0.254: Q101.2 16.205,57.08 18.821,54.463 18.821,51.13 ; R113.1 18.821,51.13 ; U103.14 17.501,46.076 18.821,47.396 18.821,51.13
RX_E: R104.2 R1151.1 U101.21 | length 23.6
  Top Layer w0.254: U101.21 v2(23.876,52.952) 24.435,52.952 25.197,52.19 R104.2
  Bottom Layer w0.254: R1151.1 v2(23.876,52.952)
SCK_RF: H102.2 U100.26 | length 7.6
  Top Layer w0.254: U100.26 37.831,17.765 H102.2
SCL: H101.3 U100.21 | length 37.7
  Top Layer w0.254: U100.21 30.175,15.772 30.175,14.427 30.76,13.843 56.794,13.843 H101.3
SDA: H101.4 U100.22 | length 37
  Top Layer w0.254: U100.22 30.681,14.608 30.937,14.351 57.988,14.351 v2(60.909,11.43)
  Bottom Layer w0.254: v2(60.909,11.43) 60.922,11.417 60.922,7.175 H101.4
SS: H102.1 U100.25 | length 6.7
  Top Layer w0.254: U100.25 39.871,17.265 H102.1
SS1: C123.2 H100.3 U100.10 | length 17
  Top Layer w0.254: v2(14.681,10.998) 16.383,10.998 23.65,18.265 U100.10
  Bottom Layer w0.254: H100.3 C123.2@13.411,9.881 ; C123.2@13.487,9.804 v2(14.681,10.998)
SS2: C124.2 H100.4 U100.11 | length 14.6
  Top Layer w0.254: v2(17.196,10.734) 17.221,10.758 17.221,11.26 23.726,17.765 U100.11
  Bottom Layer w0.254: H100.4 C124.2@15.951,9.881 ; C124.2@16.015,9.881 16.844,10.71 17.172,10.71 v2(17.196,10.734)
SS3: C125.2 H100.5 U100.12 | length 12.3
  Top Layer w0.254: v2(19.761,10.998) 24.693,15.93 U100.12
  Bottom Layer w0.254: H100.5 18.491,9.817 19.648,10.974 19.737,10.974 v2(19.761,10.998)
SS4: C126.2 H100.6 U100.13 | length 10.6
  Top Layer w0.254: v2(22.301,10.998) 22.631,10.998 26.178,14.545 26.178,15.775 U100.13
  Bottom Layer w0.254: H100.6 21.031,9.694 22.301,10.964 v2(22.301,10.998)
SS5: C127.2 H100.7 U100.14 | length 9.5
  Top Layer w0.254: v2(24.841,10.998) 24.852,10.998 26.681,12.827 U100.14
  Bottom Layer w0.254: H100.7 23.571,9.728 v2(24.841,10.998)
STBY: U100.31 U102.19 | length 26.4
  Top Layer w0.254: U102.19 31.592,36.164 32.614,37.186 35.662,37.186 36.754,36.093 36.754,22.123 34.896,20.265 U100.31
SWDCLK: SWD100.3 U100.37 | length 35.5
  Top Layer w0.254: U100.37 31.681,25.254 v2(32.182,25.756)
  Bottom Layer w0.254: SWD100.3 7.137,21.615 7.112,21.59 5.436,23.266 5.436,25.527 8.357,28.448 22.428,28.448 25.121,25.756 v2(32.182,25.756)
SWDIO: SWD100.2 U100.34 | length 39.9
  Top Layer w0.254: v2(31.593,20.32) 31.593,21.433 31.928,21.768 32.546,21.768 32.563,21.785 32.583,21.765 U100.34
  Bottom Layer w0.254: SWD100.2 7.137,19.075 12.852,13.36 33.198,13.36 34.315,14.478 34.315,17.597 v2(31.593,20.32)
TX_E: R103.2 R1152.1 U101.22 | length 25.7
  Top Layer w0.254: U101.22 v2(23.876,54.952)
  Bottom Layer w0.254: R1152.1 v2(23.876,54.952) 24.46,54.952 25.197,54.216 25.197,33.274 R103.2@25.298,33.172
V3: C115.2 U103.4 | length 2.4
  Bottom Layer w0.508: C115.2@16.236,35.21 U103.4@16.236,37.613
  Bottom Layer w0.762: C115.2@16.236,35.21 C115.2
VDD_USB: D100.1 USB100.1 | length 6.5
  Bottom Layer w0.635: USB100.1 D100.1
Vin: C000.1 C001.2 C002.2 C003.2 C004.2 C005.2 C006.2 C009.2 C010.2 C119.2 C120.2 D000.2 LM-5V.1 LM-ADJ.1 R000.1 R116.2 | length 107
  Top Layer w1.016: R116.2 C120.2 C119.2 37.059,57.912 41.046,61.9 57.709,61.9 ; LM-5V.1 57.817,38.075 57.825,38.083 C010.2@57.825,41.91 ; LM-ADJ.1 57.782,56.693 57.774,56.701 C006.2 C005.2 57.774,61.835 57.709,61.9 ; C010.2 C010.2@57.825,41.91 ; C004.2 67.778,41.91 C010.2@57.825,41.91 ; C004.2@67.804,41.935 69.915,41.935 C003.2 C002.2 C001.2 74.103,41.935 78.461,41.935 C000.1 78.523,41.93 78.523,46.505 v6(78.495,46.533) 78.523,46.561 R000.1 78.523,55.208 71.831,61.9 57.709,61.9
  Bottom Layer w1.016: D000.2 v6(78.495,46.533)
Vm: C007.1 C008.2 C113.2 C114.2 L001.2 R001.2 U102.13 U102.14 U102.24 | length 66.9
  Top Layer w0.381: v3(34.842,31.318) U102.24
  Top Layer w1.016: v3(28.016,32.715) v3@28.067,32.766 ; v3@28.016,32.766 28.016,34.138 ; L001.2 49.249,45.263 v3(59.487,45.263)
  Bottom Layer w1.016: C113.2@28.016,36.728 v3(28.016,32.715) 29.413,31.318 v3(34.842,31.318) 34.95,31.426 C114.2@34.95,36.733 ; C114.2@35.214,36.779 36.551,36.779 37.871,38.1 37.871,42.469 40.665,45.263 v3(59.487,45.263) 61.523,45.263 C007.1 61.555,45.244 C008.2
pads on no net: 3V3_C.2 IC100.1 IC100.17 U100.1 U100.2 U100.3 U100.4 U100.30 U101.4 U101.5 U101.6 U101.7 U101.9 U101.10 U101.11 U101.12 U101.13 U101.14 U101.19 U101.20 U103.7 U103.8 U103.9 U103.10 U103.11 U103.12 U103.15 USB100.4

## Polygon pours and split planes (outlines as drawn)
GND on Bottom Layer "GND_L02_P000" (solid, remove dead copper, pour order 0): 0,62.918 85.415,62.941 85.317,0.406 0,0.406
GND on Top Layer "GND_L01_P001" (solid, remove dead copper, pour order 1): 0,62.941 85.42,62.941 85.42,0.406 0,0.406

## Keep-outs
Keep-Out Layer:
  lines w0.254: 85.42,62.941 0,62.941 0,0 85.522,0 85.522,62.941

## Other copper
Top Layer:
  pour cut-out: 42.824,56.49 55.626,56.49 55.626,43.688 42.824,43.688
  pour cut-out: 42.824,37.846 55.626,37.846 55.626,25.044 42.824,25.044
  pour cut-out: 4.089,62.84 24.511,62.84 24.511,57.711 4.089,57.711
  pour cut-out: 21.514,16.408 12.471,16.408 12.471,16.154 21.514,16.154
  pour cut-out: 21.514,16.408 21.514,24.003 21.26,24.003 21.26,16.408
  pour cut-out: 12.471,23.749 21.26,23.749 21.26,24.003 12.471,24.003
  pour cut-out: 12.471,23.749 12.471,16.281 12.725,16.281 12.725,23.749
Bottom Layer:
  pour cut-out: 42.824,56.49 55.626,56.49 55.626,43.688 42.824,43.688
  pour cut-out: 42.824,37.846 55.626,37.846 55.626,25.044 42.824,25.044
  pour cut-out: 21.514,16.408 21.514,24.003 21.26,24.003 21.26,16.408
  pour cut-out: 21.514,16.408 12.471,16.408 12.471,16.154 21.514,16.154
  pour cut-out: 12.471,23.749 12.471,16.281 12.725,16.281 12.725,23.749
  pour cut-out: 12.471,23.749 21.26,23.749 21.26,24.003 12.471,24.003
  pour cut-out: 4.089,62.89 24.511,62.89 24.511,57.711 4.089,57.711

## Silkscreen, mask and mechanical layers (free items; w line width, h text height)
Top Overlay:
  text "+" at 81.686,45.593 h1.52
  text "GND" at 36.796,39.827 h0.76
  text "3V3" at 36.796,37.306 h0.76
  text "5V" at 36.923,34.785 h0.76
  text "IR_S1" at 36.606,32.221 h0.76
  text "IR_S2" at 36.563,29.615 h0.76
  text "RST" at 36.796,27.052 h0.76
  text "MISO" at 36.69,24.531 h0.76
  text "3V3" at 2.303,24.105 h0.76
  text "MOSI" at 36.712,22.01 h0.76
  text "SWDCLK" at 1.922,21.488 h0.76
  text "SCK" at 36.796,19.488 h0.76
  text "SWDIO" at 2.07,18.872 h0.76
  text "SS" at 36.923,16.967 h0.76
  text "GND" at 2.303,16.256 h0.76
  text "1" at 49.022,12.37 h0.76 r270
  text "+" at 75.184,5.994 h1.52
  text "IR" at 57.239,4.394 h0.76
  text "SDA" at 59.441,4.394 h0.76
  text "SCL" at 62.383,4.394 h0.76
  text "5V" at 65.452,4.394 h0.76
  text "GND" at 67.759,4.394 h0.76
  text "GND" at 8.611,4.166 h0.76 r90
  text "3V3" at 11.142,4.166 h0.76 r90
  text "SS1" at 13.674,4.166 h0.76 r90
  text "SS2" at 16.205,4.166 h0.76 r90
  text "SS3" at 18.737,4.166 h0.76 r90
  text "SS4" at 21.268,4.166 h0.76 r90
  text "SS5" at 23.8,4.166 h0.76 r90

## Text inside footprints (layer, text, board x,y; h text height)
U101: Mechanical 13 "ANTENNA AREA" at 6.549,62.826 h0.76; Mechanical 13 "CUTOUT POLYGON" at 6.549,62.318 h0.76
U103: Bottom Overlay "1" at 20.549,36.78 h0.76 r270; Bottom Overlay "8" at 11.201,39.319 h0.76; Bottom Overlay "9" at 10.262,43.967 h0.76 r270; Bottom Overlay "16" at 19.329,44.094 h0.76 r270